# KiCad board nerdqaxe++.kicad_pcb (continued)
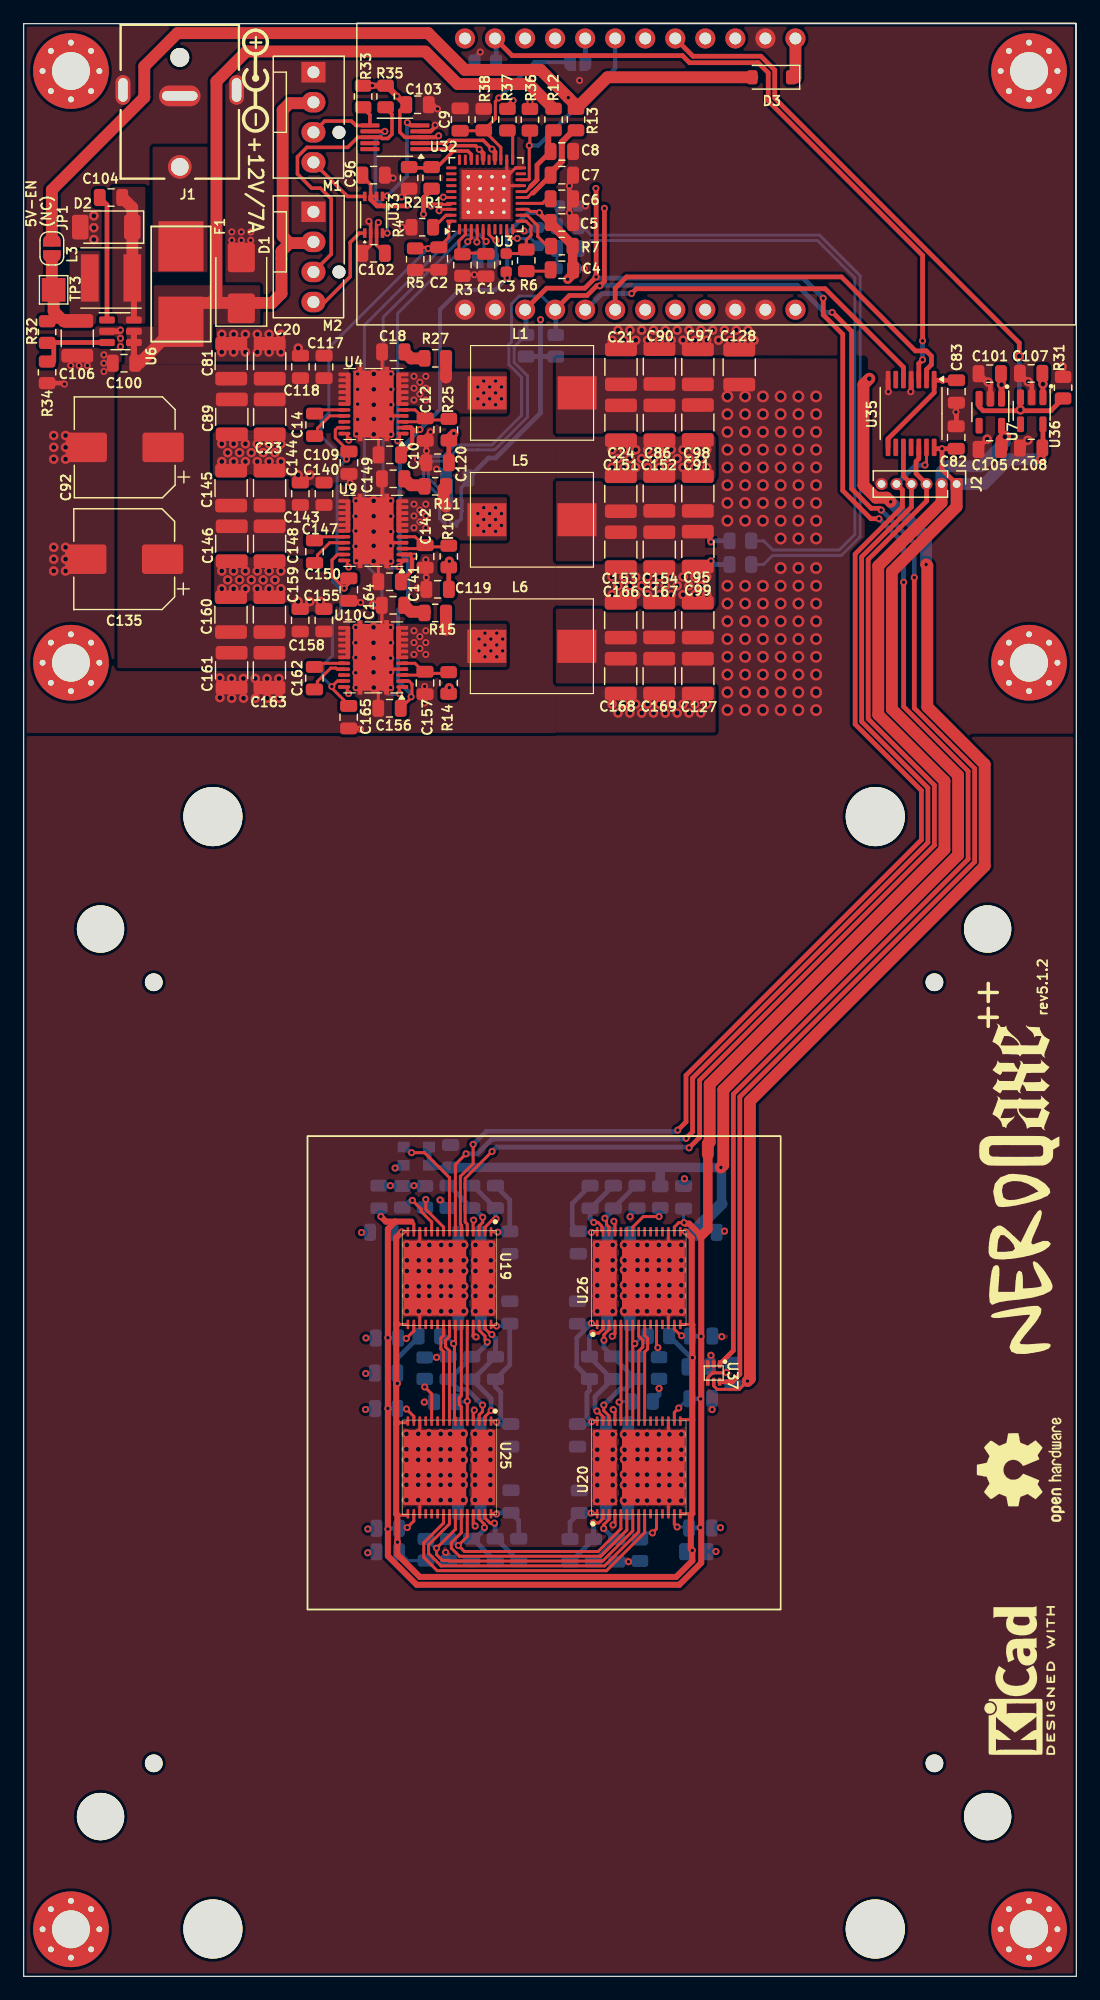
[diagram p0: board, top side]
## Routing (per net, layer and track width the routed paths; a pad name or vN(x,y) marks a point on that pad's centre or on a via; arc(x,y) is an arc through that point) (continued)
+VRef: length 73.8
  Top w0.254: 44.24,148.2 43.31,149.14 42.82,149.14 42.64,149.31 U3.13 ; 32,109.45 32.58,109.45 32.83,109.2 32.83,108.1 C156.1
  Top w0.35: C5.1 44.42,148.2 v1(43.6,149.03) ; 32.9,120 v1(33.02,120) ; 32.9,120 32.76,120.14 U9.2 ; 32.9,120 32.9,119.95 32.84,119.89 32.84,118.79 C141.1 ; C10.1 32.85,129.51 32.85,130.61 33.41,130.61 v1(33.5,130.7) ; U4.2 32.6,130.86 ; v1(40.88,143.51) 40.79,143.6 C3.2
  Top w0.4: 34.5,150.99 33.8,150.29 v1(33.8,148.9) ; 33,130.61 32.75,130.86 U4.2
  Top w0.8: v1(46,143.4) 46.45,143.85 C4.2 46.41,144.24 R7.1 ; 46.11,146.59 44.5,148.2
  Bottom w0.35: 32.12,119.98 32.5,119.6 32.5,116.3 31.66,115.46 31.66,109.44 32.75,108.34 v1(32.75,108.12) ; 32.12,119.98 33,119.98 v1(33.02,120) ; 32.12,119.98 31.8,120.3 31.8,129 v1(33.5,130.7) 35.2,132.4 35.2,140.84 36.86,142.5 39.87,142.5 v1(40.88,143.51) 40.88,147.28 42.63,149.03 v1(43.6,149.03)
/BM1366/BI: length 3.9
  Top w0.254: 34,64.96 v1(34,65.65) ; U19.9 35.5,63.31 34.01,64.8
  Bottom w0.254: v1(34,65.65) 34,65.03 R19.2
/BM1366/CI: length 97.6
  Top w0.254: U35.13 76.33,127.83 v1(76.2,127.7) ; v1(38,70.3) 38,68.67 36.92,67.6 36.92,63.57 37.02,63.48 37.02,62.93
  Top w0.4: J2.5 74.29,125.6 74.29,124.17 70.3,120.18 70.3,105.8 75.9,100.2 75.9,96.03 56,76.13 56,72.2 v1(55.3,71.5)
  Bottom w0.4: v1(55.3,71.5) 55.2,71.4 39.1,71.4 v1(38,70.3) ; J2.5 75.39,127.7 v1(76.2,127.7)
/BM1366/CLKI: length 9.5
  Top w0.254: v1(32.8,69.6) 33.89,69.6 36,67.49 U19.8
  Bottom w0.254: U8.3 32.6,69.6 v1(32.8,69.6)
/BM1366/RESET: length 57.9
  Top w0.4: U35.3 75.68,136.28 v1(76,136.6) ; v1(76,138.2) 76,145.42 62.95,158.47 62.95,160.85 62.1,161.7 56.3,161.7 55.7,162.3 41.3,162.3 U30.2
  Bottom w0.4: v1(76,138.2) v1(76,136.6) ; U30.2 39.94,163.66 R16.1
/BM1366/RO: length 97.3
  Top w0.254: U19.7 36.5,68.6 v1(37.4,69.5)
  Top w0.4: U35.10 74.38,126.78 J2.4 75.06,124.17 70.85,119.95 70.85,106.03 76.45,100.43 76.45,95.81 56.55,75.91 56.55,71.35 v1(56.02,70.82)
  Bottom w0.4: v1(56.02,70.82) 55.95,70.75 39.59,70.75 38.34,69.5 v1(37.4,69.5)
/BM1366/RST_N: length 97.2
  Top w0.254: v1(39.6,69.7) 37.33,67.43 37.33,63.74 37.47,63.6 ; U19.5 37.51,63.56
  Top w0.4: U35.12 75.68,128.24 75.45,128.01 75.45,126.98 J2.3 76.33,124.66 71.4,119.72 71.4,106.26 77,100.66 77,95.58 57.15,75.73 57.15,70.9 v1(56.26,70)
  Bottom w0.4: v1(56.26,70) 56.19,70.07 39.97,70.07 v1(39.6,69.7)
/BM1366/RXD: length 31.4
  Top w0.4: U35.5 74.38,135.98 67.76,142.6 51.8,142.6 v1(51.4,142.2)
  Bottom w0.4: U30.20 47.54,140.83 48.91,142.2 v1(51.4,142.2)
/BM1366/TXD: length 33.9
  Top w0.4: U30.19 50.01,142.64 50.97,143.6 69.14,143.6 75.39,137.35 76.31,137.35 76.75,136.91 76.75,136.19 76.33,135.77 U35.2
/Power//RESET: length 2.7
  Top w0.254: R37.2 41.34,155.53 U3.21
/Power/LDO_EN: length 56.3
  Top w0.4: 84.26,132.29 86.84,132.29 R31.1 ; 84.26,132.29 81.13,132.29 80.78,132.64 U7.3 ; 84.26,132.29 84.28,132.31 U36.3 ; v2(84.18,136.9) 84.18,138.02 63.5,158.7 63.5,161.08 62.33,162.25 56.59,162.25 U30.8
  Bottom w0.4: v2(84.18,136.9) 84.18,132.46 v2(84.27,132.36)
/Power/PWR_EN: length 2
  Bottom w0.4: 47.45,163.73 U30.5 47.5,163.72 JP2.2
/Power/TPS_CSP1: length 21.2
  Top w0.254: 31.78,130.36 31.78,129.9 v1(31.62,129.75) ; U3.3 37.84,146.87 v1(37.55,146.57)
  Bottom w0.254: 31.6,129.72 v1(31.62,129.75) 31.62,130.05 31.63,130.06 31.63,130.54 31.62,130.55 31.62,131.35 31.63,131.36 31.63,131.84 31.62,131.85 31.62,132.55 31.63,132.56 31.63,133.04 31.62,133.05 31.62,133.85 31.63,133.86 31.63,134.34 31.62,134.35 31.62,135.15 31.63,135.16 31.63,135.64 31.62,135.65 31.62,140.52 37.55,146.45 v1(37.55,146.57)
/Power/TPS_CSP2: length 35.9
  Top w0.254: 31.77,119.64 U9.1 32.17,119.64 31.75,119.22 v1(31.75,119.12) ; v1(38.32,146.54) 38.34,146.57 U3.4
  Bottom w0.254: v1(31.75,119.12) 31.63,119 30.8,119 30.4,119.4 30.4,140.2 32.9,142.7 32.9,142.75 37.31,147.15 37.79,147.15 38.32,146.62 v1(38.32,146.54) 38.32,146.52
/Power/TPS_CSP3: length 50.6
  Top w0.254: 31.75,108.95 31.75,108.42 v1(31.78,108.39) ; U3.5 38.84,146.86 v1(39.1,146.6)
  Bottom w0.254: v1(31.78,108.39) 31.7,108.31 30.79,108.31 30.3,108.8 30.3,117.9 28.8,119.4 28.8,131.3 28.82,131.32 28.82,131.8 28.8,131.81 28.8,132.59 28.82,132.61 28.82,133.09 28.8,133.11 28.8,133.84 28.82,133.86 28.82,134.34 28.8,134.36 28.8,135.14 28.82,135.16 28.82,135.64 28.8,135.66 28.8,139.5 36.86,147.56 38.14,147.56 v1(39.1,146.6) 38.91,146.41 38.91,145.63 JP3.1
/Power/TPS_PWM1: length 25.1
  Top w0.254: U3.38 35.24,149.31 v1(35.12,149.19) ; v1(27.49,129.8) 27.38,129.92 27.38,130.36
  In1.Cu w0.4: v1(27.49,129.8) 27.49,139.35 33.09,144.95 34.38,144.95 35.3,145.87 35.3,149.01 v1(35.12,149.19)
/Power/TPS_PWM2: length 36.6
  Top w0.254: U3.37 36.06,149.72 35.41,149.72 35.36,149.77 34.63,149.77 v1(34.45,149.59) ; v1(27.48,119.08) 27.36,119.2 27.36,119.64
  In1.Cu w0.4: v1(27.48,119.08) 26.61,119.95 26.61,139.47 34.45,147.31 v1(34.45,149.59)
/Power/TPS_PWM3: length 50.6
  Top w0.254: v1(27.47,108.39) 27.36,108.51 27.36,108.95 ; U3.36 35.5,150.31 v1(35.48,150.34)
  In1.Cu w0.4: v1(27.47,108.39) 27.31,108.24 25.74,108.24 25.31,108.67 25.31,110.45 25.93,111.07 25.93,116.43 25.7,116.66 25.7,139.6 32.78,146.68 32.78,148.97 34.15,150.34 v1(35.48,150.34)
/Power/TPS_TSEN: length 61.1
  Top w0.254: v1(27.3,128.2) 27.3,128.65 C109.1 26.35,130 26.35,130.67 26.54,130.86 U4.11 ; U9.11 26.53,120.14 26.07,119.68 26.07,118.33 v1(27.1,117.3) 27.49,117.69 C150.1 ; U3.40 35.95,148.11 35.95,146.95 C2.1 34.1,146.1 ; R5.2 33.19,146.1 34.1,146.1 ; U10.11 26.52,109.45 v1(26.06,108.99) 26.06,108.86 27.48,107.44 ; 34.1,146.1 v1(34.2,146)
  Bottom w0.254: v1(26.06,108.99) 25.3,109.74 25.3,110.8 26.1,111.6 26.1,114.6 26.8,115.3 26.8,117 v1(27.1,117.3) 26.7,117.3 26.1,117.9 26.1,119.7 26.5,120.1 26.5,127.4 v1(27.3,128.2) 27.1,128.2 25.15,130.15 25.15,131.45 25.8,132.1 25.8,137.6 v1(34.2,146)
/Power/VR_RDY: length 17.4
  Top w0.254: R36.2 42.8,154.75 v1(42.75,154.7) 42.75,151.86 42.7,151.81 U3.18
  Bottom w0.35: U30.6 50.01,161.21 43.5,154.7 v1(42.75,154.7)
/Power/VSENSE+: length 56.4
  Bottom w0.25: 61.7,121.3 R29.1 62.56,121.3 63.34,120.53 68.96,120.53 70.28,121.84 70.28,143.51 67.11,146.68 47.97,146.68 47.3,146 R39.1
/Power/VSENSE-: length 58
  Bottom w0.25: 61.7,119.3 R30.1 62.56,119.3 63.34,120.08 69.14,120.08 70.72,121.66 70.72,143.69 67.29,147.12 47.97,147.12 47.2,147.9 R40.1
/T-Display-S3/SCL: length 180.5
  Top w0.3: v1(39.59,154.4) 38.86,155.14 35.95,155.14 35.71,154.9 U32.2
  Top w0.4: v1(48.38,151.08) 48.4,151.06 v1(48.4,143.6) 47.45,142.65 44.21,142.65 U30.22 ; v1(74.4,117.8) 74.4,107.29 79.85,101.84 79.85,94.4 60,74.55 60,52.88 U37.1 ; U3.24 39.84,154.15 v1(39.59,154.4) ; v1(72.31,123.17) 71.63,123.17 69.25,125.55 69.25,138.75 67.6,140.4 v1(67.6,141.8)
  In1.Cu w0.4: v1(48.38,151.08) 46.66,152.8 42.1,152.8 40.5,154.4 v1(39.59,154.4)
  Bottom w0.254: R8.2 41.47,137.7 41.47,136.38 42.6,135.25 42.6,131.76 39.83,128.99 38.4,128.99 38.4,129 36.61,129 35.65,128.03 34.62,128.03 34.22,127.64 34.22,126.6 35.6,125.22 U38.1
  Bottom w0.4: v1(48.4,143.6) 48.5,143.5 65.9,143.5 v1(67.6,141.8) ; v1(74.4,117.8) 74.4,121.08 v1(72.31,123.17) ; U30.22 42.47,140.75 R8.2
/T-Display-S3/SDA: length 188.5
  Top w0.3: U32.1 35.85,154.4 36.14,154.69 38.21,154.69 v1(38.52,154.38)
  Top w0.4: v1(68.36,140.61) 68.39,140.61 70,139 70,125.7 71.65,124.05 72.35,124.05 v1(72.5,123.9) ; U3.26 38.84,154.06 v1(38.52,154.38) ; v1(75.3,118.2) 75.3,107.16 80.4,102.06 80.4,94.17 60.55,74.32 60.55,50.87 59.92,50.24 U37.6 ; v1(49.1,149.4) 49.1,143.24 v1(48.71,142.85) 48.45,142.85 47.63,142.03 46.13,142.03 U30.21
  In1.Cu w0.4: v1(49.1,149.4) 49,149.4 46.2,152.2 41.8,152.2 40.3,153.7 39.2,153.7 v1(38.52,154.38)
  Bottom w0.254: U38.6 35.17,123.19 35.17,125.04 33.82,126.39 33.82,127.8 34.45,128.44 35.48,128.44 36.45,129.4 38.57,129.4 39.6,129.4 42.1,131.9 42.1,135.11 41.02,136.19 41.02,137.89 41.24,138.11 41.24,141.31 41.91,141.98 43.78,141.98 U30.21
  Bottom w0.4: v1(68.36,140.61) 67.69,140.61 65.4,142.9 48.76,142.9 ; v1(75.3,118.2) 75.3,121.1 v1(72.5,123.9) ; U30.21 44.99,140.77 R9.2
/T-Display-S3/TACHO1: length 7.1
  Top w0.3: 28.64,157.94 29.28,157.3 U32.6 28.09,156.4 27.72,156.77 25.45,156.77 M1.3
/T-Display-S3/TACHO2: length 23.4
  Top w0.3: M2.3 26,145.52 26,150.2 25.1,151.1 24.35,151.1 23.15,152.3 23.15,153.75 23.95,154.55 27.4,154.55 28.25,155.4 U32.8 30.19,155.4 30.29,155.3 30.79,155.3 31.14,155.65 31.14,157.34 30.54,157.94
Net-(C4-Pad1): length 1.8
  Top w0.254: 44.24,144.2 44.13,144.09 R6.1
Net-(C18-Pad1): length 1.9
  Top w1: R27.1 33.88,136.71 32.75,136.71 C18.1
Net-(C149-Pad1): length 2
  Top w1: C149.1 32.74,125.99 33.94,125.99
Net-(C164-Pad1): length 2
  Top w1: 33.93,115.3 32.73,115.3 C164.1
Net-(D2-K): length 10.8
  Top w0.508: L3.1 9.32,143.37 U6.6
  Top w1: C104.2 9.18,149.46 D2.1 L3.1
Net-(D3-K): length 3.3
  Top w1: 65.25,160.44 65.25,160.44 U30.12
Net-(JP1-A): length 9.3
  Top w0.4: 2.55,139.85 4.65,139.85 4.68,139.88
  Top w1: 4.65,139.85 3.38,139.85 2.53,140.7 TP3.1 2.38,142.66 JP1.1
Net-(JP2-A): length 15.8
  Top w0.254: R38.1 39.88,156.96 39.88,158.43 v1(40.17,158.72) ; R38.1 40.34,154.54 U3.23 ; R38.1 38.86,155.95 C9.1
  Bottom w0.254: 46.1,161.65 JP2.1
  Bottom w0.35: JP2.1 43.2,161.75 v1(40.17,158.72)
Net-(M1-PWM): length 5.5
  Top w0.3: M1.4 27.38,150.4 U33.8
Net-(M2-PWM): length 8.5
  Top w0.3: 27.61,146.52 27.61,143.63 25.46,141.48 M2.4 ; 27.6,146.51 28.39,147.3 U33.1
Net-(R44-Pad1): length 3
  Top w0.254: U20.11 53.51,37.82 v1(53.16,37.47)
  Bottom w0.254: v1(53.16,37.47) 52.65,37.47 R44.1
Net-(R45-Pad1): length 2.9
  Top w0.254: U26.11 53.51,53.23 v1(53.62,53.12)
  Bottom w0.254: R45.1 53.62,52.41 v1(53.62,53.12)
Net-(R46-Pad1): length 4.4
  Top w0.254: v1(32.87,65.57) 33.61,64.83 33.61,64.63 34.49,63.74 U19.11
  Bottom w0.254: v1(32.87,65.57) 32.61,65.57 R46.1
Net-(R47-Pad1): length 3.8
  Top w0.254: v1(33.91,49.8) 34.49,49.22 U25.11
  Bottom w0.254: v1(33.91,49.8) 33.91,50.47 R47.1
Net-(U3-/SKIP-NVM): length 2
  Top w0.254: U3.39 35.7,148.81 34.69,147.8 R4.2
Net-(U3-ADDR_TRISE): length 6.7
  Top w0.3: 32.3,152.81 34.9,152.81 36.33,154.24 37.56,154.24 37.84,153.95 U3.28
Net-(U3-COMP): length 5
  Top w0.254: 40.79,145.57 42.16,145.57 R6.2 42.49,146.72 42.9,147.12 42.9,147.89 42.47,148.31 U3.11
Net-(U3-IMON): length 4.4
  Top w0.254: U3.2 37.34,147.19 36.8,146.64 36.8,145.91 37.09,145.61 39.06,145.61 39.09,145.65
Net-(U3-ISUM): length 3.9
  Top w0.254: 44.28,146.2 43.46,147.02 43.46,147.92 42.57,148.81 U3.12
Net-(U3-V3R3): length 2.4
  Top w0.254: U3.14 43.86,149.81 44.24,150.2
Net-(U3-V5): length 10.3
  Top w0.254: 44.24,152.2 44.24,151.96 42.59,150.31 U3.15
  Top w0.4: 43.03,150.7 43.08,150.7 44.55,152.17 C7.2 ; 46.35,155.99 46.6,155.99
  Top w0.508: 44.35,152.2 45.5,153.35 45.5,155 46.49,155.99 46.6,155.99
Net-(U3-VIN): length 6.6
  Top w0.254: U3.16 42.47,150.81 42.75,151.09 42.75,151.14 42.85,151.25
  Top w0.4: C8.2 43.4,153.05 43.4,151.79 42.85,151.25
  Top w0.508: 44.35,154.2 44.35,155.64 44.7,155.99
Net-(U3-VSN): length 5.7
  Top w0.254: U3.10 41.48,147.49 v1(42.3,147.49)
  Bottom w0.25: C114.2 42.95,147.78 42.48,147.3
  Bottom w0.254: C116.1 45.08,149.35 R40.2 44.95,147.78 C114.2
Net-(U3-VSP): length 6.9
  Top w0.254: v1(41.73,146.85) 41.18,146.85 40.84,147.19 U3.9
  Bottom w0.254: v1(41.73,146.85) 42.87,146.85 C114.1 44.85,146.22 R39.2 45.08,144.35 C115.2
Net-(U4-BOOT): length 3.2
  Top w0.254: U4.9 25.89,131.86 24.85,130.82 24.85,130.31
Net-(U4-BOOT_R): length 2.5
  Top w0.254: 24.75,132.11 25,132.36 U4.8
Net-(U4-ENABLE): length 6.3
  Top w0.254: U4.5 33.1,132.36 33.95,131.51 ; 33.95,131.51 33.8,131.36 U4.3 ; 33.95,131.51 35.91,131.51 35.95,131.47
Net-(U4-VSW): length 1.6
  Top w1: 35.7,135.1 35.71,135.11 R27.2
  vias: v1(33,135.2) v1(33,134.2) v1(33,133.2) v1(33.5,134.7) v1(33.5,133.7) v1(34,135.2) v1(34,134.2) v1(34,133.2) v1(38.4,134.3) v1(38.4,133.3) v1(38.9,134.8) v1(38.9,133.8) v1(38.9,132.8) v1(39.4,134.3) v1(39.4,133.3) v1(39.9,134.8) v1(39.9,133.8) v1(39.9,132.8) v1(40.4,134.3) v1(40.4,133.3)
Net-(U6-BS): length 10.6
  Top w0.4: U6.1 7.05,149.7 C104.1
Net-(U6-FB): length 6.1
  Top w0.4: U6.3 2.58,138.06 2.55,138.03 2.55,136.45
Net-(U9-BOOT): length 3.2
  Top w0.254: U9.9 25.88,121.14 24.84,120.1 24.84,119.59
Net-(U9-BOOT_R): length 2.5
  Top w0.254: 24.74,121.39 24.99,121.64 U9.8
Net-(U9-ENABLE): length 6.3
  Top w0.254: 33.94,120.79 33.79,120.64 U9.3 ; 33.94,120.79 33.09,121.64 U9.5 ; 33.94,120.79 35.9,120.79 35.94,120.75
Net-(U9-VSW): length 1.9
  Top w1: R11.2 35.5,125.69 35.5,124.4 35.7,124.2
  vias: v1(33,124.4) v1(33,123.4) v1(33,122.4) v1(33.5,123.9) v1(33.5,122.9) v1(34,124.4) v1(34,123.4) v1(34,122.4) v1(38.4,123.6) v1(38.4,122.6) v1(38.9,124.1) v1(38.9,123.1) v1(38.9,122.1) v1(39.4,123.6) v1(39.4,122.6) v1(39.9,124.1) v1(39.9,123.1) v1(39.9,122.1) v1(40.4,123.6) v1(40.4,122.6)
Net-(U10-BOOT): length 3.3
  Top w0.254: 24.83,108.9 24.83,109.41 25.97,110.55 26.41,110.55 26.5,110.45 U10.9
Net-(U10-BOOT_R): length 2.5
  Top w0.254: U10.8 24.98,110.95 24.73,110.7
Net-(U10-ENABLE): length 6.3
  Top w0.254: 33.93,110.1 35.89,110.1 35.93,110.06 ; 33.93,110.1 33.08,110.95 32,110.95 ; 33.93,110.1 33.78,109.95 32,109.95
Net-(U10-VSW): length 1.4
  Top w1: 35.7,113.8 35.71,113.81 R15.2
  vias: v1(33,113.7) v1(33,112.7) v1(33,111.7) v1(33.5,113.2) v1(33.5,112.2) v1(34,113.7) v1(34,112.7) v1(34,111.7) v1(38.5,113) v1(38.5,112) v1(39,113.5) v1(39,112.5) v1(39,111.5) v1(39.5,113) v1(39.5,112) v1(40,113.5) v1(40,112.5) v1(40,111.5) v1(40.5,113) v1(40.5,112)
Net-(U19-BO): length 8.4
  Top w0.254: U25.9 35.5,52.78 35.27,53.01 35.27,53.91 35.5,54.14 U19.22
Net-(U19-CLKO): length 8.4
  Top w0.254: U25.8 36,52.85 35.67,53.18 35.67,53.74 36,54.07 U19.23
Net-(U19-CO): length 8.3
  Top w0.254: U25.6 37,48.14 36.83,48.32 36.83,48.88 37,49.06 U19.25
Net-(U19-NRSTO): length 9.2
  Top w0.254: U25.5 v1(37.51,48.6) U19.26
  Bottom w0.254: R49.2 37.45,48.54 v1(37.51,48.6)
Net-(U19-RI): length 9.6
  Top w0.254: 36.5,53.5 36.39,53.5 v1(36.35,53.46) ; 36.5,53.5 U19.24 ; 36.5,53.5 36.42,53.42 36.42,47.16 36.5,47.08
  Bottom w0.254: 35.29,54.09 35.72,54.09 v1(36.35,53.46)
Net-(U19-VDD1_0): length 5.4
  Top w0.254: 38.76,64.2 v1(38.81,64.14) 38.81,63.71 38.51,63.41 U19.3
  Bottom w0.4: 38.76,64.2 38.05,64.91 C42.1 35.99,66.81 C35.2
Net-(U19-VDD1_1): length 11.7
  Top w0.254: v1(39.19,53.6) 39,53.79 39,54.1 38.51,54.6 U19.28 ; U25.3 38.51,47.43 38.8,47.72 v1(38.8,48.27)
  Bottom w0.4: v1(38.8,48.27) 37.47,49.6 36.74,49.6 C71.1 35.99,50.46 C69.2 38.09,52.35 39.19,53.45 v1(39.19,53.6)
Net-(U19-VDD2_0): length 5.3
  Top w0.254: U19.2 39.01,63.3 39.54,63.83 39.54,63.84 39.7,64 v1(39.94,64)
  Bottom w0.4: C42.2 37.99,66.81 C50.1 39.89,64.05 v1(39.94,64)
Net-(U19-VDD2_1): length 10.4
  Top w0.254: U25.2 39.01,47.3 v1(39.52,47.81) ; v1(39.58,54.24) 39.41,54.41 39.32,54.41 39.01,54.72 U19.29
  Bottom w0.4: v1(39.58,54.24) 39.89,53.93 C66.2 37.99,50.46 C69.1 39.52,48.82 v1(39.52,47.81)
Net-(U19-VDD3_0): length 6
  Top w0.254: U19.1 40.08,62.92 40.1,62.9
  Bottom w0.4: 40.1,62.9 v1(40.08,62.88) 40.15,62.95 C56.1 41.1,65.6 C50.2
Net-(U19-VDD3_1): length 12.7
  Top w0.254: U19.30 39.65,54.95 v1(39.98,54.95) ; v1(39.98,46.82) 39.88,46.92 U25.1
  Bottom w0.254: C62.2 40.9,54.95 v1(39.98,54.95)
  Bottom w0.4: C93.1 40.14,46.66 v1(39.98,46.82) 40.34,47.18 40.34,49.35 39.89,49.8 C66.1 41.1,51.66 C62.2
Net-(U20-BI): length 26.4
  Top w0.254: U25.22 35.5,38.3 33.83,36.63 33.83,35.41 34.96,34.28 49.28,34.28 52.5,37.5 U20.9
Net-(U20-BO): length 8.4
  Top w0.254: U20.22 52.5,52.76 52.75,53.01 52.75,53.91 52.5,54.16 U26.9
Net-(U20-CI): length 20.7
  Top w0.254: U20.6 51,37.71 48.78,35.5 36.84,35.5 36.16,36.18 36.16,36.64 37,37.48 U25.25
Net-(U20-CLKI): length 25
  Top w0.254: U20.8 52,37.57 49.11,34.68 35.29,34.68 34.23,35.74 34.23,36.46 36,38.23 U25.23
Net-(U20-CLKO): length 8.5
  Top w0.254: U20.23 52,52.83 52.35,53.18 52.35,53.74 52,54.09 U26.8
Net-(U20-CO): length 8.2
  Top w0.254: U26.6 U20.25
Net-(U20-NRSTI): length 20
  Top w0.254: U20.5 50.49,37.82 48.57,35.9 37.26,35.9 v1(36.75,36.41) 37.51,37.17 U25.26
  Bottom w0.254: v1(36.75,36.41) 36.22,36.94 R50.2
Net-(U20-NRSTO): length 9.4
  Top w0.254: 50.49,48.52 v1(50.34,48.52) ; 50.49,48.52 50.5,48.53 50.5,55.08 U26.5 ; 50.49,48.52 U20.26
  Bottom w0.254: R51.2 50.4,48.58 v1(50.34,48.52)
Net-(U20-RI): length 9.7
  Top w0.254: v1(51.67,53.46) 51.66,53.47 51.5,53.47 ; U26.7 51.5,53.47 ; 51.5,53.47 U20.24
  Bottom w0.254: R21.1 52.32,54.11 v1(51.67,53.46)
Net-(U20-RO): length 24.6
  Top w0.254: U20.7 51.5,37.64 48.95,35.09 36,35.09 35.95,35.14 35.4,35.14 34.91,35.63 v1(34.91,36.18) 36.5,37.77 U25.24
  Bottom w0.254: v1(34.91,36.18) 34.78,36.18 R23.1
Net-(U20-VDD1_0): length 5.7
  Top w0.254: v1(49.03,37.84) 49.03,38.16 49.49,38.62 U20.3
  Bottom w0.4: v1(49.03,37.84) 49.94,36.94 C36.2 48.25,35.03 C43.1
Net-(U20-VDD1_1): length 11.1
  Top w0.254: v1(49.06,53.75) 49.06,54.22 49.49,54.65 U26.3 ; U20.28 49.49,47.35 49.05,47.79 v1(49.05,48.27)
  Bottom w0.4: v1(49.05,48.27) 50.41,49.63 50.92,49.63 C72.1 51.7,50.48 C70.2 49.06,53.12 v1(49.06,53.75)
Net-(U20-VDD2_0): length 5.5
  Top w0.254: U20.2 48.99,38.69 48.62,38.32 v1(48.16,38.32)
  Bottom w0.4: C51.1 46.29,35.05 C43.2 48.17,38.3 v1(48.16,38.32)
Net-(U20-VDD2_1): length 10.7
  Top w0.254: U26.2 48.99,54.72 48.62,54.35 v1(48.1,54.35) ; U20.29 48.99,47.28 48.51,47.76 v1(48.47,47.76)
  Bottom w0.4: v1(48.47,47.76) 48.3,47.93 48.3,48.98 C70.1 49.72,50.48 C67.2 47.83,54.08 v1(48.1,54.35)
Net-(U20-VDD3_0): length 4.1
  Top w0.254: U20.1 48.03,39.08 v1(47.97,39.15)
  Bottom w0.254: v1(47.97,39.15) 47.95,39.16 C57.1
  Bottom w0.4: C57.1 46.19,38.37 C51.2
Net-(U20-VDD3_1): length 13
  Top w0.254: v1(48,55.18) 48.1,55.08 U26.1 ; v1(48.03,46.87) 48.08,46.92 U20.30
  Bottom w0.4: C63.2 47.82,46.66 v1(48.03,46.87) 47.62,47.28 47.62,49.28 47.83,49.49 C67.1 46.75,51.54 46.75,53.94 v1(48,55.18) 47.95,55.14 C94.1
Net-(U25-VDD1_1): length 5.7
  Top w0.254: U25.28 38.51,38.65 38.96,38.2 v1(38.96,37.92)
  Bottom w0.4: v1(38.96,37.92) 38.96,37.77 38.17,36.98 C79.1 37.97,36.98 C77.2
Net-(U25-VDD2_1): length 5.4
  Top w0.254: v1(39.8,38.29) 39.44,38.29 39.01,38.72 U25.29
  Bottom w0.4: C75.2 39.95,36.98 C77.1 39.87,38.23 v1(39.8,38.29)
Net-(U25-VDD3_1): length 4.2
  Top w0.254: v1(39.98,39.07) 39.97,39.08 U25.30
  Bottom w0.4: C75.1 41.86,38.51 C73.2 40.08,39.17 v1(39.98,39.07)
Net-(U26-RI): length 3.8
  Top w0.254: v1(53.72,64.2) 52.39,64.2 51.5,63.31 U26.24
  Bottom w0.254: R22.1 53.72,64.84 v1(53.72,64.2)
Net-(U26-VDD1_1): length 5.2
  Top w0.254: v1(49.14,64.06) 49.28,63.92 49.28,63.52 49.49,63.31 U26.28
  Bottom w0.4: v1(49.14,64.06) 49.85,64.77 C78.2 51.75,66.81 C80.1
Net-(U26-VDD2_1): length 5.4
  Top w0.254: U26.29 48.88,63.03 48.88,63.39 48.56,63.71 v1(48.2,63.71)
  Bottom w0.4: C78.1 47.95,64.91 C76.2 47.89,64.02 v1(48.2,63.71)
Net-(U26-VDD3_1): length 6.3
  Top w0.254: U26.30 48.07,62.92 v1(48.01,62.86)
  Bottom w0.254: C74.2 46.99,62.86 v1(48.01,62.86)
  Bottom w0.4: C76.1 46.39,65.31 46.39,63.46 C74.2
Net-(U32-PWM1): length 8.5
  Top w0.3: v1(30.74,150.45) 30.39,150.45 U33.5 ; v1(32.44,156.65) 32.69,156.4 U32.5
  Bottom w0.3: v1(30.74,150.45) 32.41,152.12 32.41,156.62 v1(32.44,156.65)
Net-(U32-PWM2): length 11
  Top w0.3: v1(30.74,147.3) U33.4 ; U32.7 v1(30.54,155.9)
  Bottom w0.3: v1(30.74,147.3) 30.74,149.25 29.74,150.25 29.74,155.1 v1(30.54,155.9)

## Copper pours and planes (outline as drawn; the poured copper is in the pictures)
+3V3 on In1.Cu: 26.8,165 27.1,146 38.3,146 38.3,139.5 71.3,139.5 71.3,134 90,134 89.89,165
+12V on Top: 11,142.9 16,142.9 16,133.9 11,133.9
+12V on Top: 7.8,139.4 7.8,134.8 11.7,134.8 11.7,139.4
+12V on Top: 29.68,110.55 7.93,110.55 7.93,136.19 29.68,136.19
+12V on Top: 16,142.9 20,142.9 20,139.6 16,139.6
GND on Top: 45,119.32 58.5,119.32 58.5,115.82 45,115.82
GND on Top: 16.1,119.8 31.55,119.8 31.55,116.3 16.1,116.3
GND on Top: 8.28,139.41 8.28,134.81 3.68,134.81 3.68,139.41
GND on Top: 45,109 58.5,109 58.5,105.1 45,105.1
GND on Top: 27.75,135.7 27.75,130.25 22.75,130.25 22.75,126.25 27.75,126.25 27.75,119 31.5,119 31.5,135.75
GND on Top: 45,130.1 58.5,130.1 58.5,126.6 45,126.6
GND on Top: 16,130.4 31.45,130.4 31.45,126.9 16,126.9
GND on Top, Bottom, In1.Cu, In2.Cu, In3.Cu, In4.Cu: 0,165 89,165 89,0 0,0
GND on Bottom: 27.48,114.59 31.48,114.59 31.48,108.34 27.48,108.34
GND on Bottom: 27.5,136 31.5,136 31.5,129.75 27.5,129.75
GND on Bottom: 27.49,125.28 31.49,125.28 31.49,119.03 27.49,119.03
GND on In1.Cu, In2.Cu: 50.8,61.8 55.6,61.8 55.6,56.2 50.8,56.2
GND on In1.Cu, In2.Cu: 50.8,45.8 55.6,45.8 55.6,40.2 50.8,40.2
GND on In1.Cu, In2.Cu: 32.4,45.8 37.2,45.8 37.2,40.2 32.4,40.2
GND on In1.Cu, In2.Cu: 32.4,61.8 37.2,61.8 37.2,56.2 32.4,56.2
VDD on Top, In1.Cu, In2.Cu: -0.25,104.8 45,104.8 45,136.75 71.12,136.7 71.1,104.75 89,104.75 89,0 -0.5,0
VDD on Bottom: 37.75,71.5 50.25,71.5 50.25,40 37.75,40
VDD on In3.Cu, In4.Cu: 38.2,61.8 39.5,61.8 39.5,56.2 38.2,56.2
VDD on In3.Cu, In4.Cu: 38.2,45.8 39.5,45.8 39.5,40.2 38.2,40.2
VDD on In3.Cu, In4.Cu: 48.5,61.8 49.8,61.8 49.8,56.2 48.5,56.2
VDD on In3.Cu, In4.Cu: 48.5,45.8 49.8,45.8 49.8,40.2 48.5,40.2
+VRef on Bottom: 47.5,162 47.5,142 39,142 35,138 35,105.5 24,105.5 24,137.3 32,145.3 32,147.5 35.5,151 35.5,162
Net-(D2-K) on Top: 7.48,139.51 7.48,151.21 10.28,151.21 10.28,139.51
Net-(F1-Pad2) on Top: 10.9,154.6 15.9,154.6 15.9,144 10.9,144
Net-(JP1-A) on Top: 3.88,139.31 3.88,145.81 6.48,145.81 6.48,139.31
Net-(U4-VSW) on Top, In2.Cu, In3.Cu, In4.Cu: 31.62,132.05 31.62,135.6 40.87,135.6 40.87,132.05
Net-(U9-VSW) on Top, In2.Cu, In3.Cu, In4.Cu: 31.61,121.33 31.61,124.98 40.86,124.98 40.86,121.33
Net-(U10-VSW) on Top, In2.Cu, In3.Cu, In4.Cu: 31.6,110.64 31.6,114.29 40.85,114.29 40.85,110.64

## Text on the board
B.Silkscreen: PH3-DIS / (NO) | TPS-EN / (NC)
F.Silkscreen: rev5.1.2 | 5V-EN / (NC) | +12V/7A | +
User.1: M3 (3.2mm) | 4mm | 5mm
